# Altium PCB MOTHERBOARD.PcbDoc (part 4 of 4)
Units mm, origin at the board's own origin, x right, y up, seen from the top; angles counter-clockwise.
Board outline 187 x 77 mm, 4 copper layers (Top Copper, Signal Layer 1, Signal Layer 2, Bottom Copper), stack 1.57 mm thick; 275 components, 255 nets, 1182 pads, 1708 vias.
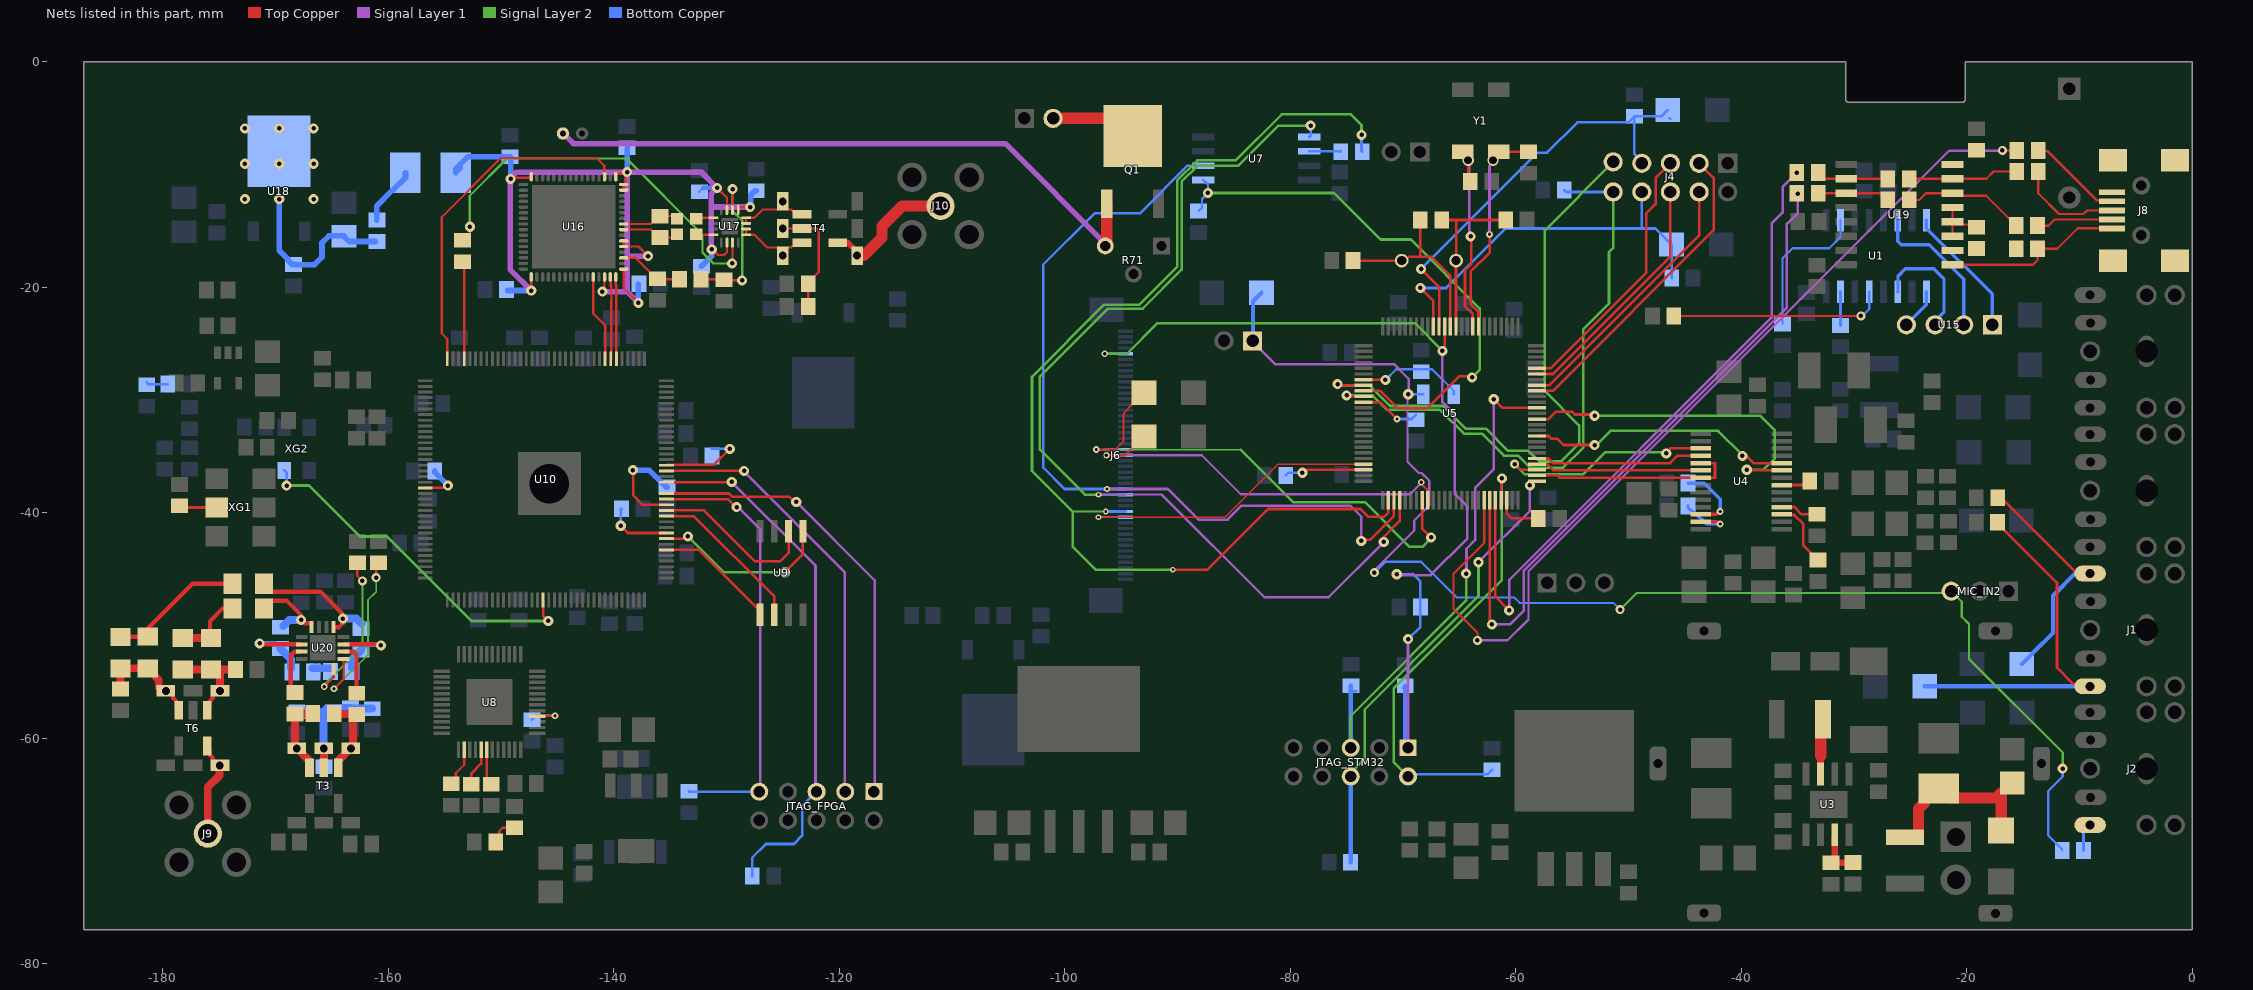
[diagram p6: the nets of this part, all layers, seen from the top]

## Via types
v1: diameter 0.6, hole 0.3, Top Copper to Bottom Copper, tented both sides, 1186 vias
v2: diameter 0.9, hole 0.4, Top Copper to Bottom Copper, tented both sides, 348 vias
v3: diameter 0.5, hole 0.3, Top Copper to Bottom Copper, tented both sides, 73 vias
v4: diameter 0.8, hole 0.4, Top Copper to Bottom Copper, tented both sides, 25 vias
v5: diameter 1, hole 0.7, Top Copper to Bottom Copper, 18 vias
v6: diameter 0.5, hole 0.25, Top Copper to Bottom Copper, tented both sides, 16 vias
v7: diameter 0.55, hole 0.3, Top Copper to Bottom Copper, tented both sides, 13 vias
v8: diameter 0.6, hole 0.25, Top Copper to Bottom Copper, tented both sides, 10 vias
v9: diameter 4, hole 3, Top Copper to Bottom Copper, 6 vias
v10: diameter 5, hole 3, Top Copper to Bottom Copper, 4 vias
v11: diameter 2, hole 1.5, Top Copper to Bottom Copper, 2 vias
v12: diameter 0.7, hole 0.4, Top Copper to Bottom Copper, tented both sides, 2 vias
v13: diameter 3, hole 2.5, Top Copper to Bottom Copper, 1 vias
v14: diameter 3.5, hole 3, Top Copper to Bottom Copper, 1 vias
v15: diameter 0.5, hole 0.2, Top Copper to Bottom Copper, tented both sides, 1 vias
v16: diameter 4, hole 3.5, Top Copper to Bottom Copper, 1 vias
v17: diameter 0.45, hole 0.2, Top Copper to Bottom Copper, tented both sides, 1 vias

## Nets (pads, with @x,y where several pads share a name; then routed paths per layer and width w, separated by ;. In a path a pad name is that pad's centre, name@x,y a point inside that pad or via, vN(x,y) a via of type N, cw(c..) or ccw(c..) an arc to the next point about the centre after c; other vN are vias at no path point) (continued)
NetC37_2: C37.2 R44.1 | length 2.4
  Top Copper w0.2: C37.2@-150.15,-69.2 -150.15,-68.25 -149.85,-67.95 R44.1@-148.8,-67.95
NetC38_1: C38.1 U5.8 Y1.1 | length 19.5
  Top Copper w0.23: U5.8@-63.3,-23.5 -63.3,-22.2 -64,-21.5 -64,-18.625 -62.297,-16.922 -62.297,-15.353 v1(-62.325,-15.325) ; Y1.1@-62.243,-8.535 -61.708,-8 Y1.1@-61.5,-8 C38.1@-58.875,-8
  Signal Layer 1 w0.23: v1@-62.284,-15.284 v1(-62.325,-15.325) -62.325,-9.263 -62.022,-8.96 v5(-62.022,-8.752)
NetC39_1: C39.1 U5.9 Y1.4 | length 18.6
  Top Copper w0.23: Y1.4@-65,-8 Y1.4@-64.7,-8 -64.535,-8 Y1.4@-64,-8.535 ; v5(-64.221,-8.752) -64.221,-10.429 C39.1@-64.025,-10.625 ; v2(-64,-15.5) -63.95,-15.55 -63.95,-17.975 -64.5,-18.525 -64.5,-21.7 -63.8,-22.4 U5.9@-63.8,-23.5
  Signal Layer 1 w0.23: v5(-64.221,-8.752) -64.11,-8.862 -64.11,-15.39 v2(-64,-15.5)
NetC40_2: C40.2 U5.48 | length 7.1
  Top Copper w0.23: v2(-78.911,-36.461) -78.729,-36.461 -78.469,-36.2 U5.48@-73.5,-36.2
  Bottom Copper w0.23: C40.2@-80.401,-36.7 -80.161,-36.461 v2(-78.911,-36.461)
NetC41_2: C41.2 U5.73 | length 4.2
  Top Copper w0.23: U5.73@-60.8,-38.9 -60.8,-40.075 -60.375,-40.5 C41.2@-58,-40.5
NetC42_2: C42.2 R29.1 U5.12 Y2.1 | length 15
  Top Copper w0.23: R29.1@-66.575,-14.15 R29.1@-66.575,-14.05 C42.2@-61.125,-14.05 ; U5.12@-65.3,-23.5 -65.294,-23.494 -65.294,-17.656 Y2.1@-65.287,-17.65 -65.287,-14.075
NetC43_2: C43.2 R29.2 U5.13 Y2.2 | length 17.2
  Top Copper w0.23: C43.2@-74.425,-17.625 -74.4,-17.65 Y2.2@-70.113,-17.65 -69.845,-17.65 -69.487,-17.291 -68.498,-17.291 ; R29.2@-68.475,-14.05 -68.475,-17.269 -68.498,-17.291 ; U5.13@-65.8,-23.5 -65.8,-19 -67.509,-17.291 -68.498,-17.291
NetC55_1: C55.1 R58.2 T3.1 T3.7 | length 6.9
  Top Copper w0.7: C55.1@-164.75,-57.85 -163.15,-57.85 -163.1,-57.9 -163.1,-60.7 v5(-163.3,-60.9) -164.43,-62.03 T3.7@-164.43,-62.61
NetC55_2: C55.2 R54.1 T3.3 T3.9 | length 6.9
  Top Copper w0.7: T3.9@-166.97,-62.61 -166.97,-62.03 v5(-168.1,-60.9) -168.25,-60.75 R54.1@-168.25,-57.85 C55.2@-166.65,-57.85
NetC58_2: C58.2 U19.3 U19.4 U19.5 | length 4.9
  Top Copper w0.2: U19.3@-21.263,-15.48 U19.4@-21.263,-14.21 ; U19.5@-21.263,-12.94 U19.4@-21.263,-14.21 ; C58.2@-19.125,-14.675 -19.365,-14.435 -21.038,-14.435 U19.4@-21.263,-14.21
NetC63_2: C63.2 U8.30 | length 3.2
  Top Copper w0.2: U8.30@-151.25,-61.038 -151.25,-63.675 C63.2@-150.85,-64.075
NetC93_2: C93.2 C104.2 R25.1 R49.1 T3.2 T3.8 | length 13.5
  Top Copper w0.7: T3.8@-165.7,-62.61 v5(-165.7,-60.9) T3.2@-165.688,-60.888
  Bottom Copper w0.7: R49.1@-168.1,-57.65 -165.725,-57.65 ; C93.2@-165.7,-62.525 v5(-165.7,-60.9) -165.713,-60.887 -165.713,-58.362 -165.725,-58.35 -165.725,-57.65 ; R25.1@-161.4,-57.375 -161.425,-57.35 -163.3,-57.35 C104.2@-163.325,-57.325 -165.4,-57.325 -165.725,-57.65
NetC96_2: C96.2 J8.1 U19.1 | length 15.3
  Top Copper w0.2: U19.1@-21.263,-18.02 -14.12,-18.02 -13.725,-17.625 C96.2@-13.725,-16.6 -11.975,-16.6 -10.15,-14.775 -7.925,-14.775 J8.1@-7.9,-14.8
NetC102_1: C102.1 C106.1 R56.2 T6.1 T6.7 | length 8.6
  Top Copper w0.381: T6.7@-176.03,-57.51 -175.841,-57.321 -175.841,-56.741 -175.535,-56.435 -175.535,-56.11 -175.225,-55.8 v5(-174.9,-55.8) ; C102.1@-174.9,-53.95 C102.1@-174.85,-53.9
  Top Copper w0.7: C106.1@-178.2,-53.9 C102.1@-175.7,-53.9 -174.85,-53.9 -174,-53.9 R56.2@-173.95,-53.95 ; v5(-174.9,-55.8) C102.1@-174.9,-53.95
NetC102_2: C102.2 C106.2 R62.1 | length 6.3
  Top Copper w0.381: C102.2@-175.9,-51.1 -175.8,-51 -175.8,-49.622 -174.678,-48.5 R62.1@-173.8,-48.5
  Top Copper w0.7: C106.2@-178.2,-51.1 C102.2@-175.9,-51.1
NetC103_1: C103.1 C105.1 R57.1 T6.3 T6.9 | length 9.5
  Top Copper w0.381: C105.1@-181.3,-53.8 -181.2,-53.8 -180.591,-54.41 C105.1@-180.591,-54.585 ; T6.3@-180.335,-55.491 -180.025,-55.8 v5(-179.7,-55.8) -179.375,-55.8 -179.066,-56.11 -179.066,-56.435 -178.76,-56.741 -178.76,-57.321 T6.9@-178.57,-57.51
  Top Copper w0.7: C103.1@-183.725,-53.825 -183.722,-53.828 -183.722,-55.639 R57.1@-183.719,-55.642 ; C103.1@-183.725,-53.8 C105.1@-181.3,-53.8 ; C105.1@-180.591,-54.585 -180.335,-54.841 T6.3@-180.335,-55.491
NetC103_2: C103.2 C105.2 R63.1 | length 12.3
  Top Copper w0.381: C103.2@-183.725,-51 C105.2@-181.3,-51 -181.3,-50.25 -177.35,-46.3 R63.1@-173.8,-46.3
NetC107_1: C107.1 R60.2 U20.11 | length 7.3
  Top Copper w0.381: U20.11@-163.95,-51.675 -163.935,-51.66 -160.741,-51.66 v2(-160.63,-51.77)
  Bottom Copper w0.381: R60.2@-162.4,-52.2 -161.941,-51.741 -160.66,-51.741 v2(-160.63,-51.77)
  Bottom Copper w0.7: C107.1@-163.2,-53.8 -163.2,-53 R60.2@-162.4,-52.2
NetC107_2: C107.2 R61.2 | length 1.6
  Bottom Copper w0.7: R61.2@-166.7,-53.8 C107.2@-165.1,-53.8
NetC112_1: C112.1 C113.1 C114.1 C115.1 C117.2 C118.2 C120.1 L7.2 U16.1 U16.5 U16.6 U16.15 U16.16 U16.17 U16.32 U16.49 U16.62 U17.1 U17.3 U17.10 | length 94.5
  Top Copper w0.2: v2(-149.129,-10.4) -149.029,-10.3 -147.346,-10.3 -147.3,-10.254 U16.32@-147.3,-10.2 ; v2(-147.3,-20.3) U16.49@-147.3,-19.1 ; v2(-141,-20.39) -140.8,-20.19 U16.62@-140.8,-19.1 ; U16.17@-139.8,-10.2 -139.8,-10.002 -139.754,-9.956 -138.956,-9.956 v2@-138.95,-9.95 ; U16.1@-139.1,-18.4 -139.1,-20.1 v2(-137.8,-21.4) ; U16.6@-139.1,-15.9 U16.5@-139.1,-16.4 -137.8,-16.4 v2(-136.95,-17.25) ; U16.15@-139.1,-11.4 U16.16@-139.1,-10.9 -138.996,-10.9 -138.95,-10.854 v2@-138.95,-9.95 ; v2(-138.8,-9.8) v2@-138.95,-9.95 ; v2@-131.3,-16.6 -130.75,-17.15 -130.2,-17.15 -129.95,-16.9 U17.10@-129.95,-16.05 ; v2(-130.825,-11.2) -129.95,-12.075 U17.3@-129.95,-13.15 ; U17.1@-128.95,-13.15 -128.95,-12.936 -128.927,-12.913 -127.913,-12.913 v2(-127.9,-12.9)
  Signal Layer 1 w0.2: -138.8,-17.2 -138.75,-17.25
  Signal Layer 1 w0.5: v2@-149.2,-10.4 -148.6,-9.8 v2(-138.8,-9.8) ; v2(-149.129,-10.4) -149.175,-10.446 -149.175,-18.425 v2(-147.3,-20.3) ; v2(-141,-20.39) -140.99,-20.4 -138.8,-20.4 ; -138.75,-17.25 v2(-136.95,-17.25) ; v2(-137.8,-21.4) -138.8,-20.4 ; v2@-131.325,-16.275 -131.325,-12.9 ; v2(-127.9,-12.9) -131.325,-12.9 ; -138.8,-20.4 -138.8,-17.2 v2(-138.8,-9.8) ; v2(-138.8,-9.8) -132.225,-9.8 v2(-130.825,-11.2) -131.325,-11.7 -131.325,-12.9
  Bottom Copper w0.2: C114.1@-149.5,-20.2 C114.1@-149.4,-20.3 ; C112.1@-137.8,-19.75 C112.1@-137.75,-19.7 ; C118.2@-132.4,-11.55 C118.2@-132.05,-11.2 ; C120.1@-132.2,-18.25 C120.1@-132.2,-18.15
  Bottom Copper w0.4: C118.2@-132.05,-11.2 v2(-130.825,-11.2)
  Bottom Copper w0.5: L7.2@-153.599,-9.435 L7.2@-154.014,-9.85 -154.014,-9.525 -152.914,-8.425 C113.1@-149.175,-8.425 -149.129,-8.47 v2(-149.129,-10.4) v2@-149.115,-10.385 ; C114.1@-149.4,-20.3 v2(-147.3,-20.3) ; v2(-138.8,-9.8) C115.1@-138.8,-7.65 ; v2(-137.8,-21.4) C112.1@-137.8,-19.75 ; C120.1@-132.2,-18.15 -131.3,-17.25 v2(-131.3,-16.65) v2@-131.3,-16.6 ; v2(-127.9,-12.9) -127.852,-12.852 -127.852,-11.852 -127.452,-11.452 C117.2@-127.352,-11.452
NetC116_2: C116.2 C119.1 T4.2 T4.8 | length 10.4
  Top Copper w0.2: v5(-125,-14.8) T4.8@-123.29,-14.8 -122,-14.8 -121.8,-15 -121.8,-18.65 -122.75,-19.6 C119.1@-122.75,-19.7 C116.2@-122.75,-21.7
NetC121_1: C121.1 R67.1 U17.2 | length 14
  Top Copper w0.2: R67.1@-132.25,-19.3 -130.25,-19.3 C121.1@-130.2,-19.35 -130.15,-19.4 v2(-128.6,-19.4) ; U17.2@-129.45,-13.15 -129.44,-13.14 -129.44,-11.322 v2(-129.45,-11.313)
  Signal Layer 2 w0.2: v2(-129.45,-11.313) -129.45,-13.25 -128.6,-14.1 v2(-128.6,-19.4)
NetC122_1: C122.1 R67.2 U16.3 | length 5.7
  Top Copper w0.2: U16.3@-139.1,-17.4 -138.05,-17.4 -136.2,-19.25 C122.1@-136.1,-19.25 -136.05,-19.3 R67.2@-134.15,-19.3
NetC124_2: C124.2 C126.1 L8.1 U18.4 | length 15.7
  Bottom Copper w0.5: v2(-169.65,-12.2) -169.65,-16.741 -168.896,-17.495 -168.896,-17.595 -168.496,-17.995 C124.2@-168.396,-17.995 -168.391,-18 -166.517,-18 -165.854,-17.337 -165.854,-16.061 -165.25,-15.457 -163.943,-15.457 C126.1@-163.9,-15.5 -163.45,-15.95 L8.1@-161.125,-15.95
  other v2: -172.7,-12.2 -166.6,-12.2 -172.7,-9.063 -169.65,-9.063 -166.6,-9.063 -172.7,-5.925 -169.65,-5.925 -166.6,-5.925
NetC127_1: C127.1 R69.2 U16.8 | length 5.1
  Top Copper w0.2: U16.8@-139.1,-14.9 -136.7,-14.9 -136,-15.6 C127.1@-135.9,-15.6 -134.675,-15.6 R69.2@-134.375,-15.3
NetC127_2: C127.2 R68.2 U16.9 | length 5.1
  Top Copper w0.2: U16.9@-139.1,-14.4 -136.7,-14.4 -136,-13.7 C127.2@-135.9,-13.7 -134.6,-13.7 R68.2@-134.375,-13.925
NetC136_2: C136.2 R51.2 | length 1.9
  Bottom Copper w0.23: C136.2@-181.4,-28.45 -181.25,-28.6 R51.2@-179.55,-28.6
NetC1001_2: C1001.2 D1002.1 U5.32 | length 9.5
  Top Copper w0.23: U5.32@-73.5,-28.2 -73.488,-28.213 -71.563,-28.213 v2(-71.55,-28.225)
  Bottom Copper w0.2: v2(-71.55,-28.225) -70.6,-27.275 -68.475,-27.275 -67.425,-27.275 -65.5,-29.2 D1002.1@-65.5,-29.5
NetC1002_1: C1002.1 D1001.2 L1001.1 L1002.1 | length 15.8
  Top Copper w1: L1002.1@-25.475,-68.775 -24.475,-68.775 -24.275,-68.575 -24.275,-66.259 -23.775,-65.759 -23.775,-65.309 -22.925,-64.459 L1001.1@-22.491,-64.459 ; L1001.1@-22.475,-64.459 L1001.1@-22.491,-64.459 ; D1001.2@-16.95,-68.2 -16.95,-64.85 -17.409,-65.309 -21.641,-65.309 L1001.1@-22.491,-64.459
NetC1003_1: C1003.1 U4.12 | length 6.4
  Top Copper w0.3: U4.12@-43.6,-40.15 -42.206,-40.15 -41.956,-39.9 v1(-41.875,-39.9)
  Bottom Copper w0.3: C1003.1@-44.725,-37.375 -43.3,-37.375 -41.875,-38.8 v1(-41.875,-39.9)
NetC1004_1: C1004.1 U4.13 | length 5.4
  Top Copper w0.3: U4.13@-43.6,-40.8 -42.156,-40.8 -41.956,-41 v1(-41.875,-41)
  Bottom Copper w0.3: C1004.1@-44.725,-39.4 -44.725,-39.5 -44.225,-40 -44.125,-40 -43.125,-41 v1(-41.875,-41)
NetD36_1: D36.1 J1.3 R9.1 | length 33.4
  Top Copper w0.23: R9.1@-17.275,-40.85 -17.275,-40.95 -12,-46.225 -12,-53.75 -10.564,-55.186 -9.274,-55.186 J1.3@-9.06,-55.4
  Bottom Copper w0.381: D36.1@-23.725,-55.4 J1.3@-9.06,-55.4
NetD37_1: D37.1 J1.2 R7.1 | length 21.7
  Top Copper w0.23: R7.1@-17.25,-38.675 -17.175,-38.675 -17.15,-38.7 -16.923,-38.7 -10.223,-45.4 J1.2@-9.06,-45.4
  Bottom Copper w0.381: D37.1@-15.125,-53.425 -15.1,-53.425 -14.215,-52.54 -14.215,-52.516 -12.363,-50.663 -12.363,-47.362 -10.4,-45.4 J1.2@-9.65,-45.4
NetJ2_3: J2.3 R1003.1 | length 2.5
  Bottom Copper w0.3: R1003.1@-9.65,-69.95 -9.65,-68.208 -9.142,-67.7 J2.3@-9.06,-67.7
NetJ7_2: J7.2 Q1.2 | length 7.7
  Top Copper w1: J7.2@-101.03,-5.035 -95.54,-5.035 Q1.2@-93.975,-6.6
NetJ8_2: J8.2 R41.1 | length 6.1
  Top Copper w0.2: R41.1@-13.725,-14.55 -12.75,-14.55 -12.2,-14 J8.2@-7.9,-14
NetJ8_3: J8.3 R42.1 | length 8.6
  Top Copper w0.2: R42.1@-13.675,-9.75 -13.675,-11.675 -11.825,-13.525 -9.675,-13.525 -9.35,-13.2 J8.3@-7.9,-13.2
NetJ8_4: J8.4 R65.1 | length 7.6
  Top Copper w0.2: R65.1@-13.675,-7.875 -13.617,-7.933 -12.842,-7.933 -8.458,-12.317 -7.983,-12.317 J8.4@-7.9,-12.4
NetJ9_5: J9.5 T6.6 T6.10 | length 8.9
  Top Copper w0.381: T6.10@-176.03,-60.69 -175.841,-60.88 -175.841,-61.46 -175.535,-61.766 -175.535,-62.091 -175.225,-62.4 T6.6@-174.9,-62.4 T6.6@-174.95,-62.45
  Top Copper w0.7: J9.5@-175.986,-68.465 -175.986,-64.336 -174.95,-63.3 T6.6@-174.95,-62.45
  other v5: -174.925,-62.425
NetJ10_5: J10.5 T4.4 T4.11 | length 12.3
  Top Copper w0.2: T4.4@-118.8,-16.475 -118.4,-16.875 v5(-118.4,-17.2)
  Top Copper w0.5: T4.11@-120.11,-16.07 -119.205,-16.07 T4.4@-118.8,-16.475 ; v5(-118.4,-17.2) -117.8,-17.2 ; J10.5@-111.078,-12.878 J10.5@-111,-12.8
  Top Copper w1: -117.8,-17.2 -116.2,-15.6 -116.2,-14.6 -114.4,-12.8 J10.5@-111,-12.8
NetJTAG_FPGA_1: JTAG_FPGA.1 U10.16 | length 40.4
  Top Copper w0.23: U10.16@-135.3,-38.3 -129.764,-38.3 -129.489,-38.575 -124.449,-38.575 -123.974,-39.05 v2(-123.8,-39.05)
  Signal Layer 1 w0.23: v2(-123.8,-39.05) -116.857,-45.993 -116.857,-64.681 JTAG_FPGA.1@-116.921,-64.745
NetJTAG_FPGA_3: JTAG_FPGA.3 U10.20 | length 39.3
  Top Copper w0.23: U10.20@-135.3,-36.3 -128.535,-36.3 -128.535,-36.565 -128.425,-36.455 v2(-128.425,-36.3)
  Signal Layer 1 w0.23: v2@-128.357,-36.456 -119.492,-45.322 -119.492,-64.714 JTAG_FPGA.3@-119.461,-64.745
NetJTAG_FPGA_5: JTAG_FPGA.5 R31.1 U10.18 | length 47.8
  Top Copper w0.23: U10.18@-135.3,-37.3 -129.61,-37.3 -129.525,-37.385 v2(-129.525,-37.275)
  Signal Layer 1 w0.23: v2(-129.525,-37.275) -122.1,-44.7 -122.1,-64.646 JTAG_FPGA.5@-122.001,-64.745
  Bottom Copper w0.23: R31.1@-127.705,-72.219 -127.705,-70.591 -126.497,-69.382 -124.023,-69.382 -123.275,-68.634 -123.275,-66.019 JTAG_FPGA.5@-122.001,-64.745
NetJTAG_FPGA_9: JTAG_FPGA.9 R32.1 U10.15 | length 38.9
  Top Copper w0.23: U10.15@-135.3,-38.8 -129.872,-38.8 -129.172,-39.5 v2(-129.1,-39.5)
  Signal Layer 1 w0.23: v2(-129.1,-39.5) -128.976,-39.5 -127.01,-41.466 -127.01,-64.673 JTAG_FPGA.9@-127.081,-64.745
  Bottom Copper w0.23: R32.1@-133.311,-64.719 -133.286,-64.745 JTAG_FPGA.9@-127.081,-64.745
NetL1_1: L1.1 U3.7 | length 4.9
  Top Copper w0.6: U3.7@-32.984,-63.174 -32.984,-61.559
  Top Copper w1: -32.95,-61.559 -32.95,-58.525 L1.1@-32.75,-58.325
NetL7_1: L7.1 L8.2 | length 5.3
  Bottom Copper w0.5: L8.2@-161,-14.05 -161,-12.8 -159.6,-11.4 -159.559,-11.4 -158.459,-10.3 L7.1@-158.459,-9.85
NetQ1_1: Q1.1 R70.2 R71.3 | length 56.2
  Top Copper w1: R71.3@-96.4,-16.345 -96.304,-16.249 -96.304,-15.896 -96.275,-15.866 Q1.1@-96.275,-12.6
  Signal Layer 1 w0.5: R70.2@-144.491,-6.376 -144.456,-6.376 -143.554,-7.277 -105.256,-7.277 R71.3@-96.189,-16.345
NetR1_2: R1.2 R2.1 U3.3 | length 4.5
  Top Copper w0.6: R2.1@-32.05,-71.05 -31.714,-70.714 U3.3@-31.714,-68.574 ; R2.1@-32.039,-71.061 -32.016,-71.037 -30.159,-71.037 R1.2@-30.136,-71.061
NetR3_2: R3.2 XG1.2 | length 3.4
  Top Copper w0.23: R3.2@-178.5,-39.4 -178.36,-39.54 XG1.2@-175.2,-39.54
NetR8_1: R8.1 U1.7 | length 3
  Bottom Copper w0.23: R8.1@-31.2,-23.4 U1.7@-31.2,-20.41
NetR10_2: R10.2 U4.18 | length 3.4
  Top Copper w0.23: U4.18@-36.4,-39.5 -35.3,-39.5 -34.65,-40.15 R10.2@-33.275,-40.15
NetR11_2: R11.2 U4.17 | length 6.7
  Top Copper w0.23: U4.17@-35.7,-40.15 U4.17@-36.4,-40.15 -36.358,-40.192 -35.308,-40.192 -34.5,-41 -34.5,-42.9 -33.835,-43.565 -33.835,-43.665 -33.3,-44.2 R11.2@-33.2,-44.2
NetR13_2: R13.2 U4.21 | length 2.6
  Top Copper w0.23: U4.21@-36.4,-37.55 -34.268,-37.55 R13.2@-33.922,-37.204
NetR16_2: R16.2 U8.40 | length 3.8
  Top Copper w0.23: U8.40@-146.762,-58.05 -146.737,-58.025 -145.225,-58.025 v1(-145.2,-58)
  Bottom Copper w0.23: R16.2@-147.25,-58.35 -146.9,-58 v1(-145.2,-58)
NetR17_1: R17.1 U1.5 | length 19.1
  Top Copper w0.2: R17.1@-45.975,-22.55 v4(-29.388,-22.55)
  Bottom Copper w0.2: v4(-29.388,-22.55) -29.275,-22.55 -28.66,-21.935 U1.5@-28.66,-20.41
NetR18_2: R18.2 U20.8 | length 14.5
  Top Copper w0.2: v1(-165.65,-55.425) -164.825,-54.6 U20.8@-164.825,-53.85 ; R18.2@-162.725,-44.45 -162.725,-45.6 v4(-162.275,-46.05)
  Signal Layer 2 w0.15: v1(-165.65,-55.425) -165.65,-55.25 -162.275,-51.875 v4(-162.275,-46.05)
NetR24_2: R24.2 U10.92 | length 3.9
  Top Copper w0.23: U10.92@-156.7,-37.8 -154.9,-37.8 v2(-154.7,-37.6)
  Bottom Copper w0.5: R24.2@-155.875,-36.3 -155.875,-36.4 -154.7,-37.575 v2(-154.7,-37.6)
NetR27_2: R27.2 U5.36 | length 5.4
  Top Copper w0.23: U5.36@-73.5,-30.2 -72.023,-30.2 v1(-70.533,-31.69)
  Bottom Copper w0.23: v1(-70.533,-31.69) -69.224,-31.69 R27.2@-68.853,-31.319
NetR30_1: R30.1 U10.9 | length 5.9
  Top Copper w0.23: v2(-139.371,-41.162) -138.733,-41.8 U10.9@-135.3,-41.8
  Bottom Copper w0.23: v2(-139.371,-41.162) -139.371,-39.721 R30.1@-139.3,-39.65
NetR40_1: R40.1 U7.6 | length 2.8
  Bottom Copper w0.23: U7.6@-78.3,-7.96 -75.54,-7.96 R40.1@-75.505,-7.995
NetR41_2: R41.2 R1001.1 U19.6 | length 11
  Top Copper w0.2: R1001.1@-25.1,-12.25 -25.075,-12.275 -24.225,-12.275 -23.62,-11.67 U19.6@-21.263,-11.67 -21.038,-11.895 -18.28,-11.895 -16.275,-13.9 -16.175,-13.9 -15.625,-14.45 R41.2@-15.625,-14.55
NetR42_2: R42.2 R1002.1 U19.7 | length 9.8
  Top Copper w0.2: R1002.1@-25.1,-10.425 -25.075,-10.4 U19.7@-21.263,-10.4 -18.275,-10.4 -17.625,-9.75 R42.2@-15.575,-9.75
NetR43_1: R43.1 R1001.2 U19.11 | length 6.4
  Top Copper w0.2: R43.1@-33.175,-11.675 -33.17,-11.67 U19.11@-30.687,-11.67 -27.55,-11.67 -27,-12.22 R1001.2@-27,-12.25
NetR46_2: R46.2 U8.26 | length 3.5
  Top Copper w0.2: R46.2@-154.4,-64.05 -154.3,-64.05 -154,-63.75 -154,-63.1 -153.25,-62.35 U8.26@-153.25,-61.038
NetR47_1: R47.1 U10.14 | length 9.2
  Top Copper w0.23: v2(-138.281,-36.23) -138.253,-36.23 -138.253,-38.464 -137.418,-39.3 U10.14@-135.3,-39.3
  Bottom Copper w0.5: v2(-138.281,-36.23) -138.276,-36.225 -136.85,-36.225 -135.35,-37.725 R47.1@-135.25,-37.725
NetR48_1: R48.1 U10.21 | length 7.8
  Top Copper w0.23: U10.21@-135.3,-35.8 -135.248,-35.748 -131.098,-35.748 v2(-129.7,-34.35)
  Bottom Copper w0.23: R48.1@-131.288,-34.311 -131.25,-34.311 -131.211,-34.35 v2(-129.7,-34.35)
NetR52_2: R52.2 U20.9 | length 15.8
  Top Copper w0.15: R52.2@-161.05,-44.7 R52.2@-160.825,-44.475
  Top Copper w0.2: v1(-164.8,-55.625) -163.95,-54.775 U20.9@-163.95,-52.975 ; v4(-161.05,-45.75) R52.2@-161.05,-44.7
  Signal Layer 2 w0.15: v1(-164.8,-55.625) -161.775,-52.6 -161.775,-47.725 -161.05,-47 v4(-161.05,-45.75)
NetR53_2: R53.2 U8.29 | length 3.1
  Top Copper w0.23: R53.2@-152.618,-63.782 -152.618,-63.118 -151.75,-62.25 U8.29@-151.75,-61.038
NetR54_2: R54.2 U20.3 | length 4.6
  Top Copper w0.381: R54.2@-168.3,-55.9 -168.625,-55.575 -168.625,-52.668 -168.298,-52.341 -167.666,-52.341 U20.3@-167.65,-52.325
  Top Copper w0.7: R54.2@-168.3,-55.9 R54.2@-168.25,-55.95
NetR55_1: R55.1 U1.10 | length 13.3
  Bottom Copper w0.2: R55.1@-36.35,-23.275 -36.35,-17.445 -35.455,-16.55 -32.2,-16.55 -31.2,-15.55 U1.10@-31.2,-14.06
NetR58_1: R58.1 U20.10 | length 4.8
  Top Copper w0.381: U20.10@-163.95,-52.325 -163.935,-52.341 -163.06,-52.341 -162.8,-52.6 -162.8,-55.7 R58.1@-163.1,-56
NetR59_1: R59.1 R62.2 U20.16 | length 7.4
  Top Copper w0.381: R62.2@-171,-48.5 -170.3,-47.8 -169,-47.8 -167.717,-49.083 v2(-167.717,-49.517) -167.435,-49.8 U20.16@-166.8,-49.8
  Bottom Copper w0.7: R59.1@-169.3,-50.05 -168.767,-49.517 v2(-167.717,-49.517)
NetR59_2: R59.2 R61.1 U20.2 | length 7.5
  Top Copper w0.381: v2@-171,-51.675 U20.2@-167.65,-51.675
  Bottom Copper w0.381: v2(-171.391,-51.591) -170.01,-51.591 R59.2@-169.55,-52.05
  Bottom Copper w0.7: R59.2@-169.55,-52.05 -168.6,-53 R61.1@-168.6,-53.8
NetR60_1: R60.1 R63.2 U20.13 | length 11.4
  Top Copper w0.381: R63.2@-171,-46.3 -170.3,-47 -166,-47 -164.08,-48.92 -164.08,-49.32 v2(-164,-49.4) ; -164.6,-50.15 -164.35,-50.15 v2@-163.8,-49.6
  Bottom Copper w0.7: v2(-164,-49.4) -162.8,-49.4 R60.1@-162.37,-49.83
NetR64_1: R64.1 R1002.2 U19.10 | length 6.4
  Top Copper w0.2: R64.1@-33.175,-9.85 -32.625,-10.4 U19.10@-30.687,-10.4 -27.025,-10.4 R1002.2@-27,-10.425
NetR66_1: R66.1 U17.11 | length 35.5
  Top Copper w0.2: R66.1@-153.4,-15.85 -153.3,-15.85 -152.75,-15.3 v2(-152.75,-14.65) ; v2(-129.5,-17.9) -129.46,-17.86 -129.46,-16.06 U17.11@-129.45,-16.05
  Signal Layer 2 w0.2: v2(-152.75,-14.65) -152.75,-11.9 -149.45,-8.6 -138.857,-8.6 -132.108,-15.349 -132.108,-16.935 -131.143,-17.9 v2(-129.5,-17.9)
NetR68_1: R68.1 U17.5 | length 1.6
  Top Copper w0.2: R68.1@-132.6,-13.85 U17.5@-131.15,-13.85
  Top Copper w0.381: R68.1@-132.675,-13.925 R68.1@-132.6,-13.85
NetR69_1: R69.1 U17.8 | length 1.3
  Top Copper w0.2: R69.1@-132.4,-15.35 U17.8@-131.15,-15.35
NetT4_1: T4.1 T4.7 U17.15 U17.16 | length 6.6
  Top Copper w0.2: U17.15@-128.25,-14.35 U17.16@-128.25,-13.85 -127.5,-13.85 -126.775,-13.125 -125.4,-13.125 T4.1@-125,-12.725 ; v5(-125,-12.4) T4.1@-125,-12.725 ; T4.7@-123.29,-13.53 -123.47,-13.35 -124.05,-13.35 -124.275,-13.125 -124.6,-13.125 T4.1@-125,-12.725
NetT4_3: T4.3 T4.9 U17.13 U17.14 | length 6.8
  Top Copper w0.2: U17.14@-128.25,-14.85 U17.13@-128.25,-15.35 -127.5,-15.35 -126.375,-16.475 -125.4,-16.475 T4.3@-125,-16.875 ; v5(-125,-17.2) T4.3@-125,-16.875 ; T4.9@-123.29,-16.07 -123.57,-16.35 -124.15,-16.35 -124.275,-16.475 -124.6,-16.475 T4.3@-125,-16.875
NetU1_1: U1.1 U15.4 | length 3.7
  Bottom Copper w0.3: U15.4@-25.355,-23.34 -23.58,-21.565 U1.1@-23.58,-20.41
NetU1_3: U1.3 U15.3 | length 10.5
  Bottom Copper w0.3: U1.3@-26.12,-20.41 -26.1,-20.39 -26.1,-19.025 -25.45,-18.375 -22.925,-18.375 -22.025,-19.275 -22.025,-22.23 -22.528,-22.733 -22.528,-23.053 U15.3@-22.815,-23.34
NetU1_14: U1.14 U15.2 | length 13.2
  Bottom Copper w0.3: U1.14@-26.12,-14.06 -26.12,-15.93 -25.8,-16.25 -23.325,-16.25 -20.275,-19.3 U15.2@-20.275,-23.34
NetU1_16: U1.16 U15.1 | length 11.7
  Bottom Copper w0.3: U1.16@-23.58,-14.06 -23.58,-14.76 -17.735,-20.605 U15.1@-17.735,-23.34
NetU9_1: U9.1 U10.8 | length 16.2
  Top Copper w0.23: U10.8@-135.3,-42.3 -133.61,-42.3 v2(-133.412,-42.102) ; v2(-124.828,-45.29) -123.21,-43.672 U9.1@-123.21,-41.638
  Signal Layer 2 w0.23: v2(-133.412,-42.102) -130.224,-45.29 v2(-124.828,-45.29)
NetU9_2: U9.2 U10.13 | length 14.9
  Top Copper w0.23: U10.13@-135.3,-39.8 -131.981,-39.8 -127.47,-44.311 -125.225,-44.311 -124.474,-43.561 -124.474,-41.643 U9.2@-124.48,-41.638
NetU9_5: U9.5 U10.6 | length 10.9
  Top Copper w0.23: U10.6@-135.3,-43.3 -135.274,-43.274 -132.459,-43.274 -127.02,-48.713 U9.5@-127.02,-49.038
NetU9_6: U9.6 U10.12 | length 14.1
  Top Copper w0.23: U10.12@-135.3,-40.3 -135.297,-40.303 -132.895,-40.303 -125.75,-47.448 U9.6@-125.75,-49.038
OFA: U10.44 U16.60 | length 7.8
  Top Copper w0.2: U16.60@-141.8,-19.1 -141.808,-19.108 -141.808,-22.343 -140.75,-23.401 U10.44@-140.75,-26.35 U10.44@-140.7,-26.3
PERI_MISO: J6.29 U5.53 U7.2 | length 75.9
  Top Copper w0.23: v2(-73.7,-42.5) -73.6,-42.4 -72.9,-42.4 -70.8,-40.3 U5.53@-70.8,-38.9
  Signal Layer 1 w0.23: v6(-96.25,-37.9) -90.85,-37.9 -88.125,-40.625 -85.55,-40.625 -84.3,-39.375 -74.675,-39.375 -73.7,-40.35 v2(-73.7,-42.5)
  Bottom Copper w0.23: J6.29@-94.6,-37.9 v6(-96.25,-37.9) -100,-37.9 -101.9,-36 -101.9,-18.006 -97.344,-13.45 -93.325,-13.45 -89.105,-9.23 U7.2@-87.7,-9.23
PERI_MOSI: J6.30 U5.54 U7.5 | length 90
  Top Copper w0.23: v2(-71.7,-42.6) -71.7,-42.136 -70.3,-40.736 U5.54@-70.3,-38.9
  Signal Layer 1 w0.18: v6(-97,-38.4) -91.4,-38.4
  Signal Layer 1 w0.23: -91.4,-38.4 -82.3,-47.5 -76.6,-47.5 v2(-71.7,-42.6)
  Signal Layer 2 w0.23: v6(-97,-38.4) -98.2,-38.4 -102.2,-34.4 -102.2,-27.922 -96.178,-21.9 -93.075,-21.9 -89.625,-18.45 -89.625,-10.65 -88.22,-9.245 -84.62,-9.245 -81.057,-5.682 v2(-78.194,-5.682)
  Bottom Copper w0.2: v6(-97,-38.4) J6.30@-94.6,-38.4
  Bottom Copper w0.23: U7.5@-78.3,-6.69 -78.194,-6.584 v2(-78.194,-5.682)
PERI_SCK: J6.33 R40.2 U5.52 | length 100
  Top Copper w0.23: v6(-90.4,-45.05) -87.325,-45.05 -81.95,-39.675 -73.775,-39.675 -73.075,-40.375 -71.675,-40.375 -71.3,-40 U5.52@-71.3,-38.9
  Signal Layer 2 w0.2: -99.3,-39.9 v6(-96.35,-39.9)
  Signal Layer 2 w0.23: v6(-90.4,-45.05) -97.25,-45.05 -99.3,-43 -99.3,-39.9 -102.9,-36.3 -102.9,-27.95 -96.5,-21.55 -93.375,-21.55 -90.025,-18.2 -90.025,-10.55 -88.24,-8.765 -84.84,-8.765 -80.75,-4.675 -74.625,-4.675 -73.675,-5.625 v2(-73.675,-6.5)
  Bottom Copper w0.23: v6(-96.35,-39.9) J6.33@-94.6,-39.9 ; v2(-73.675,-6.5) -73.675,-7.925 R40.2@-73.605,-7.995
PGA: U10.42 U16.64 | length 7.3
  Top Copper w0.2: U16.64@-139.8,-19.1 -139.8,-19.825 -139.775,-19.85 -139.775,-26.325 U10.42@-139.75,-26.35
PREAMP: R66.2 U10.69 | length 8.7
  Top Copper w0.2: R66.2@-153.4,-17.75 -153.25,-17.9 U10.69@-153.25,-26.35
PTT_IN: D31.1 D1002.2 MIC_IN2.3 PTT_IN.1 R1003.2 | length 123.8
  Signal Layer 1 w0.2: v4(-72.525,-45.325) -72.525,-45.115 -69,-41.59 -69,-40.696 -67.669,-39.365 -67.669,-37.153 -68.346,-36.477 -68.609,-36.477 -69.6,-35.486 -69.6,-29.575 v2(-69.525,-29.5)
  Signal Layer 1 w0.23: PTT_IN.1@-83.431,-24.736 -81.343,-26.825 -70.8,-26.825 -69.5,-28.125 -69.5,-29.475 v2(-69.525,-29.5)
  Signal Layer 2 w0.2: v4(-50.75,-48.6) -49.277,-47.127 -21.547,-47.127 MIC_IN2.3@-21.385,-46.965 -20.449,-47.901 -20.449,-49.226 -19.8,-49.875 -19.8,-52.975 -11.5,-61.275 v2(-11.5,-62.7)
  Bottom Copper w0.2: v4(-72.525,-45.325) -71.55,-44.35 -68.4,-44.35 -65.225,-47.525 -60.125,-47.525 -59.65,-48 -51.35,-48 v4(-50.75,-48.6) ; v2@-69.391,-29.366 v2(-69.525,-29.5) D1002.2@-68.2,-29.5 ; R1003.2@-11.55,-69.95 -11.55,-69.85 -12.781,-68.619 -12.781,-64.681 -11.5,-63.4 v2(-11.5,-62.7)
  Bottom Copper w0.381: PTT_IN.1@-83.3,-24.8 -83.3,-21.25 D31.1@-82.55,-20.5
PWR_HOLD: D3.1 J6.23 U5.59 | length 37.4
  Top Copper w0.2: v7(-96.3,-34.9) -94.65,-34.9 -93,-33.25 D3.1@-92.975,-33.25 ; v1(-68.369,-37.302) -68.369,-37.452 -67.85,-37.971 -67.85,-38.85 U5.59@-67.8,-38.9
  Signal Layer 1 w0.2: v7(-96.3,-34.9) -87.85,-34.9 -84.375,-38.375 -69.375,-38.375 -68.369,-37.369 v1(-68.369,-37.302)
  Bottom Copper w0.23: v7(-96.3,-34.9) J6.23@-94.6,-34.9
PWR_ON: D1.1 J6.22 U5.58 | length 47.2
  Top Copper w0.15: v8(-97.2,-34.4) -95.5,-34.4 -94.775,-33.675 -94.775,-31.175 -94,-30.4 -94,-30.375 -93,-29.375 D1.1@-92.975,-29.375
  Top Copper w0.23: U5.58@-68.3,-38.9 -68.3,-41.4 v2(-67.5,-42.2)
  Signal Layer 2 w0.15: v8@-97.192,-34.408 -96.515,-34.408 -96.507,-34.4 -96.093,-34.4 -96.085,-34.408 -84.392,-34.408
  Signal Layer 2 w0.23: v8(-97.2,-34.4) v8@-97.192,-34.408 ; -84.392,-34.408 -79.74,-39.06 -73.365,-39.06 -69.4,-43.025 -68.275,-43.025 -67.5,-42.25 v2(-67.5,-42.2)
  Bottom Copper w0.15: v8@-97.192,-34.408 -96.515,-34.408 -96.507,-34.4 J6.22@-95.025,-34.4
  Bottom Copper w0.23: v8(-97.2,-34.4) v8@-97.192,-34.408
RAND: U10.43 U16.63 | length 7.3
  Top Copper w0.2: U16.63@-140.3,-19.1 -140.25,-19.15 -140.25,-19.941 -140.192,-19.999 -140.192,-21.035 -140.2,-21.043 -140.2,-26.3 U10.43@-140.25,-26.35
RFUNT_ALC: J4.10 R50.1 U5.35 | length 54.1
  Top Copper w0.23: v2(-75,-29.6) -74.935,-29.665 -73.535,-29.665 U5.35@-73.5,-29.7
  Signal Layer 2 w0.23: v2(-75,-29.6) -72.7,-29.6 -71.425,-30.875 -66.725,-30.875 -64.6,-33 -63,-33 -61.05,-34.95 -59.789,-34.95 -58.739,-36 -55.8,-36 -54,-34.2 -54,-23.725 -51.725,-21.45 -51.725,-16.9 -51.36,-16.535 J4.10@-51.36,-11.56
  Bottom Copper w0.23: R50.1@-55.7,-11.4 -55.54,-11.56 J4.10@-51.36,-11.56
RFUNT_CLK: J4.4 U5.93 | length 23.7
  Top Copper w0.23: U5.93@-58.1,-28.7 -57,-28.7 -43.74,-15.44 J4.4@-43.74,-11.56
RFUNT_DATA: J4.6 U5.95 | length 21.9
  Top Copper w0.23: U5.95@-58.1,-27.7 -56.7,-27.7 -46.28,-17.28 J4.6@-46.28,-11.56
RFUNT_OE: J4.5 U5.96 | length 23.8
  Top Copper w0.23: U5.96@-58.1,-27.2 -56.9,-27.2 -48.438,-18.738 -48.438,-13.462 -47.6,-12.625 -47.6,-10.34 J4.5@-46.28,-9.02
RFUNT_RCLK: J4.3 U5.92 | length 28
  Top Copper w0.23: U5.92@-58.1,-29.2 -56.7,-29.2 -42.45,-14.95 -42.45,-10.31 J4.3@-43.74,-9.02
RFUNT_THERM: J4.9 U5.33 | length 56
  Top Copper w0.23: v2(-75.8,-28.6) -75.7,-28.7 U5.33@-73.5,-28.7
  Signal Layer 2 w0.23: v2(-75.8,-28.6) -75.698,-28.702 -72.973,-28.702 -71.133,-30.542 -66.45,-30.542 -64.442,-32.55 -62.65,-32.55 -60.68,-34.52 -58.85,-34.52 -57.905,-35.465 -55.99,-35.465 -54.377,-33.852 -54.377,-32.266 -57.425,-29.218 -57.425,-14.958 J4.9@-51.36,-8.893
SD_CS: J6.34 U5.47 | length 27.8
  Top Copper w0.15: v6(-97,-40.4) -85.775,-40.4 -81.075,-35.7 U5.47@-73.5,-35.7
  Bottom Copper w0.15: v6(-97,-40.4) J6.34@-94.6,-40.4
SHDN: U10.72 U16.19 | length 30.6
  Top Copper w0.2: U10.72@-154.75,-26.35 -154.75,-24.6 -155.25,-24.1 -155.25,-13.8 -150,-8.55 -141.5,-8.55 -140.819,-9.231 -140.819,-10.181 U16.19@-140.8,-10.2
STM_NRST: C57.2 J6.5 JTAG_STM32.1 R33.1 U5.14 | length 85
  Top Copper w0.23: v2(-66.5,-25.65) -66.5,-25.469 -66.3,-25.269 U5.14@-66.3,-23.5
  Signal Layer 1 w0.23: v2(-70.549,-45.462) -70.471,-45.541 -67.541,-45.541 -64.298,-42.298 -64.298,-39.454 -65.39,-38.362 -65.39,-31.31 -66.5,-30.2 v2(-66.5,-25.65) ; JTAG_STM32.1@-69.55,-60.85 v2(-69.55,-51.218)
  Signal Layer 2 w0.23: v7(-96.45,-25.9) -94.45,-25.9 -91.75,-23.2 -68.95,-23.2 v2(-66.5,-25.65)
  Bottom Copper w0.23: v7(-96.45,-25.9) J6.5@-94.6,-25.9 ; v2(-70.549,-45.462) -69.162,-45.462 -69.12,-45.42 -68.45,-46.091 C57.2@-68.45,-48.375 -68.45,-50.118 v2(-69.55,-51.218) v2@-69.55,-51.05 ; R33.1@-69.975,-55.525 R33.1@-69.8,-55.35
  Bottom Copper w0.381: R33.1@-69.8,-55.35 -69.8,-60.6 JTAG_STM32.1@-69.55,-60.85
SWCLK: JTAG_STM32.6 R38.2 U5.76 | length 40.5
  Top Copper w0.23: v2(-58.748,-37.582) -58.365,-37.2 U5.76@-58.1,-37.2
  Signal Layer 1 w0.23: v2(-63.302,-44.395) -58.748,-39.841 v2(-58.748,-37.582)
  Signal Layer 2 w0.23: JTAG_STM32.6@-74.63,-63.071 -73.401,-61.843 -73.401,-57.476 -63.302,-47.377 v2(-63.302,-44.395)
  Bottom Copper w0.381: R38.2@-74.65,-71 -74.63,-70.98 JTAG_STM32.6@-74.63,-63.39
SWDIO: JTAG_STM32.2 R36.2 U5.72 | length 40.6
  Top Copper w0.23: U5.72@-61.3,-38.9 -61.3,-37.039 v2(-61.229,-36.968)
  Signal Layer 2 w0.23: JTAG_STM32.2@-69.55,-63.39 -70.825,-62.115 -70.825,-55.575 -61.229,-45.979 v2(-61.229,-36.968)
  Bottom Copper w0.23: JTAG_STM32.2@-69.55,-63.39 -69.36,-63.2 -62.5,-63.2 R36.2@-62.1,-62.8
SWO: JTAG_STM32.5 R37.2 U5.89 | length 46.2
  Top Copper w0.23: v2(-61.945,-29.936) -61.181,-30.7 U5.89@-58.1,-30.7
  Signal Layer 1 w0.23: v2(-64.403,-45.4) -64.367,-45.4 -64.367,-43.199 -63.606,-42.438 -63.606,-37.808 -61.945,-36.147 v2(-61.945,-29.936)
  Signal Layer 2 w0.23: JTAG_STM32.5@-74.63,-60.85 -74.63,-58.03 -64.403,-47.803 v2(-64.403,-45.4)
  Bottom Copper w0.23: R37.2@-74.475,-55.825 R37.2@-74.125,-55.825
  Bottom Copper w0.381: JTAG_STM32.5@-74.63,-60.85 -74.63,-55.38 R37.2@-74.6,-55.35
SWR_BACKW: D29.1 J4.8 R19.1 U5.16 | length 35.2
  Top Copper w0.23: v2(-68.45,-20.075) -67.3,-21.225 U5.16@-67.3,-23.5
  Bottom Copper w0.23: v2(-68.45,-20.075) -66.175,-20.075 -60.901,-14.801 -48.82,-14.801 -47.625,-14.801 -46.2,-16.225 D29.1@-46.175,-16.225 R19.1@-46.175,-19.2 ; J4.8@-48.82,-11.56 -48.82,-14.75 -48.792,-14.779
SWR_FORW: D30.1 J4.7 R26.1 U5.15 | length 38.1
  Top Copper w0.23: v2(-68.4,-18.392) -66.8,-19.992 U5.15@-66.8,-23.5
  Bottom Copper w0.2: D30.1@-46.4,-5 D30.1@-46.28,-5.12
  Bottom Copper w0.23: v2(-68.4,-18.392) -58.083,-8.075 -57.225,-8.075 -54.536,-5.386 -49.986,-5.386 R26.1@-49.475,-4.875 ; J4.7@-48.82,-9.02 -48.82,-8.831 -49.475,-8.176 R26.1@-49.475,-4.875 ; D30.1@-46.525,-4.3 -47.076,-4.851 R26.1@-49.451,-4.851 R26.1@-49.475,-4.875
TCXO_CLK: U10.126 XG2.3 | length 31.7
  Top Copper w0.23: U10.126@-146.25,-47.75 -146.25,-49.15 v2(-145.8,-49.6)
  Signal Layer 2 w0.25: v2(-169,-37.6) -167.025,-37.6 -162.5,-42.125 -160.125,-42.125 -160.1,-42.1 -152.6,-49.6 v2(-145.8,-49.6)
  Bottom Copper w0.23: XG2.3@-169.204,-36.254 -169,-36.458 v2(-169,-37.6)
USB_DN: R43.2 U5.70 | length 61.6
  Top Copper w0.23: U5.70@-62.3,-38.9 -62.3,-49.73 v2(-62.119,-49.911)
  Top Copper w0.381: R43.2@-35.175,-11.575 R43.2@-35.075,-11.675
  Signal Layer 1 w0.23: v2(-62.119,-49.911) -60.511,-49.911 -59.3,-48.7 -59.3,-45.175 -35.95,-21.825 -35.95,-14.4 -34.975,-13.425 v4(-34.975,-11.725)
USB_DP: R64.2 U5.71 | length 59.7
  Top Copper w0.23: U5.71@-61.8,-38.9 -61.8,-47.455 v2(-60.583,-48.672)
  Signal Layer 1 w0.23: v2(-60.583,-48.672) -60.583,-47.758 -60.575,-47.75 -60.575,-45.975 -37.3,-22.7 -37.3,-14.35 -36.33,-13.38 -36.33,-11.105 v4(-35.075,-9.85)
USB_GND: C58.1 C96.1 J8.5 J8.6 J8.7 J8.8 J8.9 R4.1 U19.2 U19.8
USB_ID: R65.2 U5.69 | length 82.8
  Top Copper w0.2: v4(-63.4,-51.325) -63.4,-50.65 -65.525,-48.525 -65.525,-45.425 -62.8,-42.7 U5.69@-62.8,-38.9 ; v4(-16.85,-7.875) R65.2@-15.575,-7.875
  Signal Layer 1 w0.2: v4(-63.4,-51.325) -60.725,-51.325 -58.864,-49.464 -58.864,-45.189 -21.575,-7.9 -16.875,-7.9 v4(-16.85,-7.875)
W26Q16_CS: R39.2 U5.34 U7.1 | length 49.5
  Top Copper w0.23: U5.34@-73.5,-29.2 -72,-29.2 -70.45,-30.75 -67.85,-30.75 -65,-27.9 -63.979,-27.9 v2(-63.875,-28.004)
  Signal Layer 2 w0.23: v2(-87.295,-11.651) -76.121,-11.651 -71.996,-15.775 -69.3,-15.775 -63.2,-21.875 -63.2,-27.329 v2(-63.875,-28.004)
  Bottom Copper w0.2: R39.2@-88.125,-13.25 -87.825,-12.95 -87.825,-12.181 v2(-87.295,-11.651) -87.295,-10.905 U7.1@-87.7,-10.5
WM8731_ADC_SD: U4.6 U5.79 | length 14.7
  Top Copper w0.23: U5.79@-58.1,-35.7 -57.205,-35.7 -56.655,-36.25 U4.6@-43.6,-36.25
WM8731_BCLK: U4.3 U5.78 | length 20.2
  Top Copper w0.23: v4(-60.1,-35.7) -59.6,-36.2 U5.78@-58.1,-36.2 ; v2(-46.647,-34.742) -46.647,-34.663 -46.284,-34.3 U4.3@-43.6,-34.3
  Signal Layer 2 w0.23: v4(-60.1,-35.7) -59.2,-36.6 -54.025,-36.6 -52.05,-34.625 -46.764,-34.625 v2(-46.647,-34.742)
WM8731_DAC_SD: U4.4 U5.80 | length 14.9
  Top Copper w0.23: U5.80@-58.1,-35.2 -57.092,-35.2 -56.692,-35.6 -46.3,-35.6 -45.65,-34.95 U4.4@-43.6,-34.95
WM8731_SCK: U4.24 U5.84 | length 23.8
  Top Copper w0.23: U5.84@-58.1,-33.2 -57.072,-33.2 -56.819,-33.453 -56.311,-33.453 -55.764,-34 v2(-53,-34) ; v2(-39.9,-34.97) -39.529,-34.97 -38.9,-35.6 U4.24@-36.4,-35.6
  Signal Layer 2 w0.23: v2(-53,-34) -52.846,-34 -51.594,-32.748 -42.045,-32.748 -39.9,-34.893 v2(-39.9,-34.97)
WM8731_SDA: U4.23 U5.87 | length 30.5
  Top Copper w0.23: U5.87@-58.1,-31.7 -57.1,-31.7 -56.469,-31.069 -54.991,-31.069 -54.761,-31.298 -53.102,-31.298 v2(-53,-31.4) ; v2(-39.509,-36.189) -39.448,-36.25 U4.23@-36.4,-36.25
  Signal Layer 2 w0.23: v2(-53,-31.4) -38.325,-31.4 -37.024,-32.702 -37.024,-35.205 -38.007,-36.189 v2(-39.509,-36.189)
WM8731_WS_LRC: U4.5 U4.7 U5.77 | length 18.4
  Top Copper w0.23: U5.77@-58.1,-36.7 -56.3,-36.7 -56.1,-36.9 -42.325,-36.9 -42.325,-35.6 U4.5@-43.6,-35.6
pads on no net: J1.4 J1.5 J1.6 J1.7 J1.8 J1.9 J1.10 J2.4 J2.5 J2.6 J2.7 J2.8 J2.9 J2.10 J3.6 J3.7 J3.8 J3.9 J3.10 J5.4 J5.5 J5.6 J5.7 J5.8 J5.9 J5.10 J8.10 J8.11 JTAG_FPGA.6 JTAG_FPGA.7 JTAG_FPGA.8 JTAG_STM32.9 JTAG_STM32.10 T3.5 T4.5 T6.2 T6.5 T6.8 U4.2 U4.26 U5.2 U5.68 U5.83 U5.90 U8.25 U10.7 U10.10 U10.11 U10.23 U10.24 U10.25 U10.39 U10.80 U10.83 U10.91 U10.127 U10.128 U10.129 U16.21 U16.22 U16.23 U16.24 U16.25 U16.26 U16.27 U16.28 U16.29 U16.30 U16.33 U16.34 U16.35 U16.36 U16.37 U16.38 U16.39 U16.40 U17.6 U17.7 XG2.1

## Polygon pours and split planes (outlines as drawn)
GND on Bottom Copper "Bottom Layer, Bottom-GND" (solid, remove dead copper, pour order 4): -186.75,-0.25 -0.25,-0.25 -0.25,-76.75 -186.75,-76.75
+3V3 on Bottom Copper "Bottom Layer, Bottom-3V3" (solid, remove dead copper, pour order 2): -61,-56 -61,-68 -49,-68 -49,-56
GND on Top Copper "Top Layer, Top-GND" (solid, remove dead copper, pour order 19): -186.75,-0.25 -0.25,-0.25 -0.25,-76.75 -186.75,-76.75
USB_GND on Top Copper "USB_GND_L01_P000" (solid, remove dead copper, pour order 0): -22.748,-6.775 -0.275,-6.775 -0.275,-19.15 -22.675,-19.15
GND on Signal Layer 1 "Layer 1-GND" (solid, remove dead copper, pour order 16): -186.75,-0.25 -0.25,-0.25 -0.25,-76.75 -186.75,-76.75
GND on Signal Layer 2 "Layer 2-GND" (solid, remove dead copper, pour order 18): -186.75,-0.25 -0.25,-0.25 -0.25,-76.75 -186.75,-76.75

## Keep-outs
Keep-Out Layer, Board:
  lines w0.15: -20.398,-3.618 -30.475,-3.618 cw(c-30.475,-3.368) -30.725,-3.368 -30.725,0 -187,0 -187,-77 0,-77 0,0 -20.125,0 -20.125,-3.345 ; -20.38,-3.6 ccw(c-20.38,-3.35) -20.13,-3.35

## Other copper
Top Copper:
  rectangle net NetC124_2: -173.625,-13.6 -165.625,-1.7
Signal Layer 1:
  rectangle net +3V3: -60.016,-66.366 -49.609,-57.584
Signal Layer 2:
  rectangle net +3V3: -60.016,-66.366 -49.609,-57.584
Bottom Copper:
  rectangle net NetC124_2: -173.8,-13.1 -165.675,-1.6
  rectangle net +2V5: -111.4,-69.6 -101.05,-54.125
  rectangle net +1V2: -126.175,-37.75 -116.628,-24.25

## Silkscreen, mask and mechanical layers (free items; w line width, h text height)
Top Overlay:
  circle w0.4: c-135.4,-47.6 r0.2
  rectangle: -44.1,-7.7 -41.4,-7.1
  lines w0.254: -145.7,-37.35 -145.7,-37.427 -145.698,-37.427 ; -143.55,-14.675 -143.55,-14.625 -143.55,-14.65 ; -54.75,-20.1 -54.75,-19.3 ; -37.325,-70.925 -35.8,-70.925 -34.825,-69.95 ; -23.441,-41.676 -21.466,-41.676 -21.317,-41.825 -18.275,-41.825 -18.049,-42.051 ; -21.35,-25.05 -20.625,-25.05 -16.85,-28.825 ; -20.25,-28.825 -13.6,-28.825 ; -15.04,-45.685 -13.975,-44.62
  text "UA3REO TRX WOLF" at -114.75,-39.95 h2.54
  text "MOTHERBOARD rev33" at -111.9,-41.65 h1.52
  text "by ua3reo & ra9ucn" at -114.725,-43.314 h1.52
  text "+5V" at -48.05,-74.008 h1.52
Bottom Overlay:
  text "KEY" at -0.979,-23.904 h1.52 r90
  text "FRONT PANEL" at -89.4,-30.6 h1.52 r90
  text "PHONE" at -0.979,-34.729 h1.52 r90
  text "LINE" at -0.979,-47.854 h1.52 r90
  text "MIC" at -0.979,-60.954 h1.52 r90
Top Mask:
  lines w2: -47.375,-71.525 -47.375,-50.5 -13.25,-50.5 -13.25,-75.544 -47.294,-75.45

## Text inside footprints (layer, text, board x,y; h text height)
A_OUT: Mechanical 1, Top Assy "BOARD EDGE" at -58.127,-44.589 h0.42
BOOT: Mechanical 1, Top Assy "BOARD EDGE" at -67.593,-9.651 h1.52 r180
J1: Mechanical 1, Top Assy "EDGE" at 2.604,-54.656 h0.42 r90; Mechanical 1, Top Assy "BOARD" at 1.762,-54.823 h0.42 r90; Mechanical 1, Top Assy "EDGE" at 2.604,-48.156 h0.42 r90; Mechanical 1, Top Assy "BOARD" at 1.762,-48.323 h0.42 r90
J2: Mechanical 1, Top Assy "EDGE" at 2.604,-66.956 h0.42 r90; Mechanical 1, Top Assy "BOARD" at 1.762,-67.123 h0.42 r90; Mechanical 1, Top Assy "EDGE" at 2.604,-60.456 h0.42 r90; Mechanical 1, Top Assy "BOARD" at 1.762,-60.623 h0.42 r90
J3: Mechanical 1, Top Assy "EDGE" at 2.604,-42.306 h0.42 r90; Mechanical 1, Top Assy "BOARD" at 1.762,-42.473 h0.42 r90; Mechanical 1, Top Assy "EDGE" at 2.604,-35.806 h0.42 r90; Mechanical 1, Top Assy "BOARD" at 1.762,-35.973 h0.42 r90
J5: Mechanical 1, Top Assy "EDGE" at 2.604,-29.956 h0.42 r90; Mechanical 1, Top Assy "BOARD" at 1.762,-30.123 h0.42 r90; Mechanical 1, Top Assy "EDGE" at 2.604,-23.456 h0.42 r90; Mechanical 1, Top Assy "BOARD" at 1.762,-23.623 h0.42 r90
J7: Mechanical 1, Top Assy "BOARD EDGE" at -104.482,-3.399 h0.42
J8: Mechanical 1, Top Assy "BOARD" at 0.645,-15.637 h1.52 r90; Mechanical 1, Top Assy "EDGE" at 0.655,-12.707 h1.52 r90
MIC_IN2: Mechanical 1, Top Assy "BOARD EDGE" at -15.393,-48.601 h0.42 r180
PTT_IN: Mechanical 1, Top Assy "BOARD EDGE" at -82.418,-26.401 h1.52 r180
U10: Mechanical 15 "*" at -133.427,-47.058 h1.27; Mechanical 15 "*" at -133.427,-47.058 h1.27